# Altium PCB PCB1.PcbDoc (part 1 of 5) (continued)
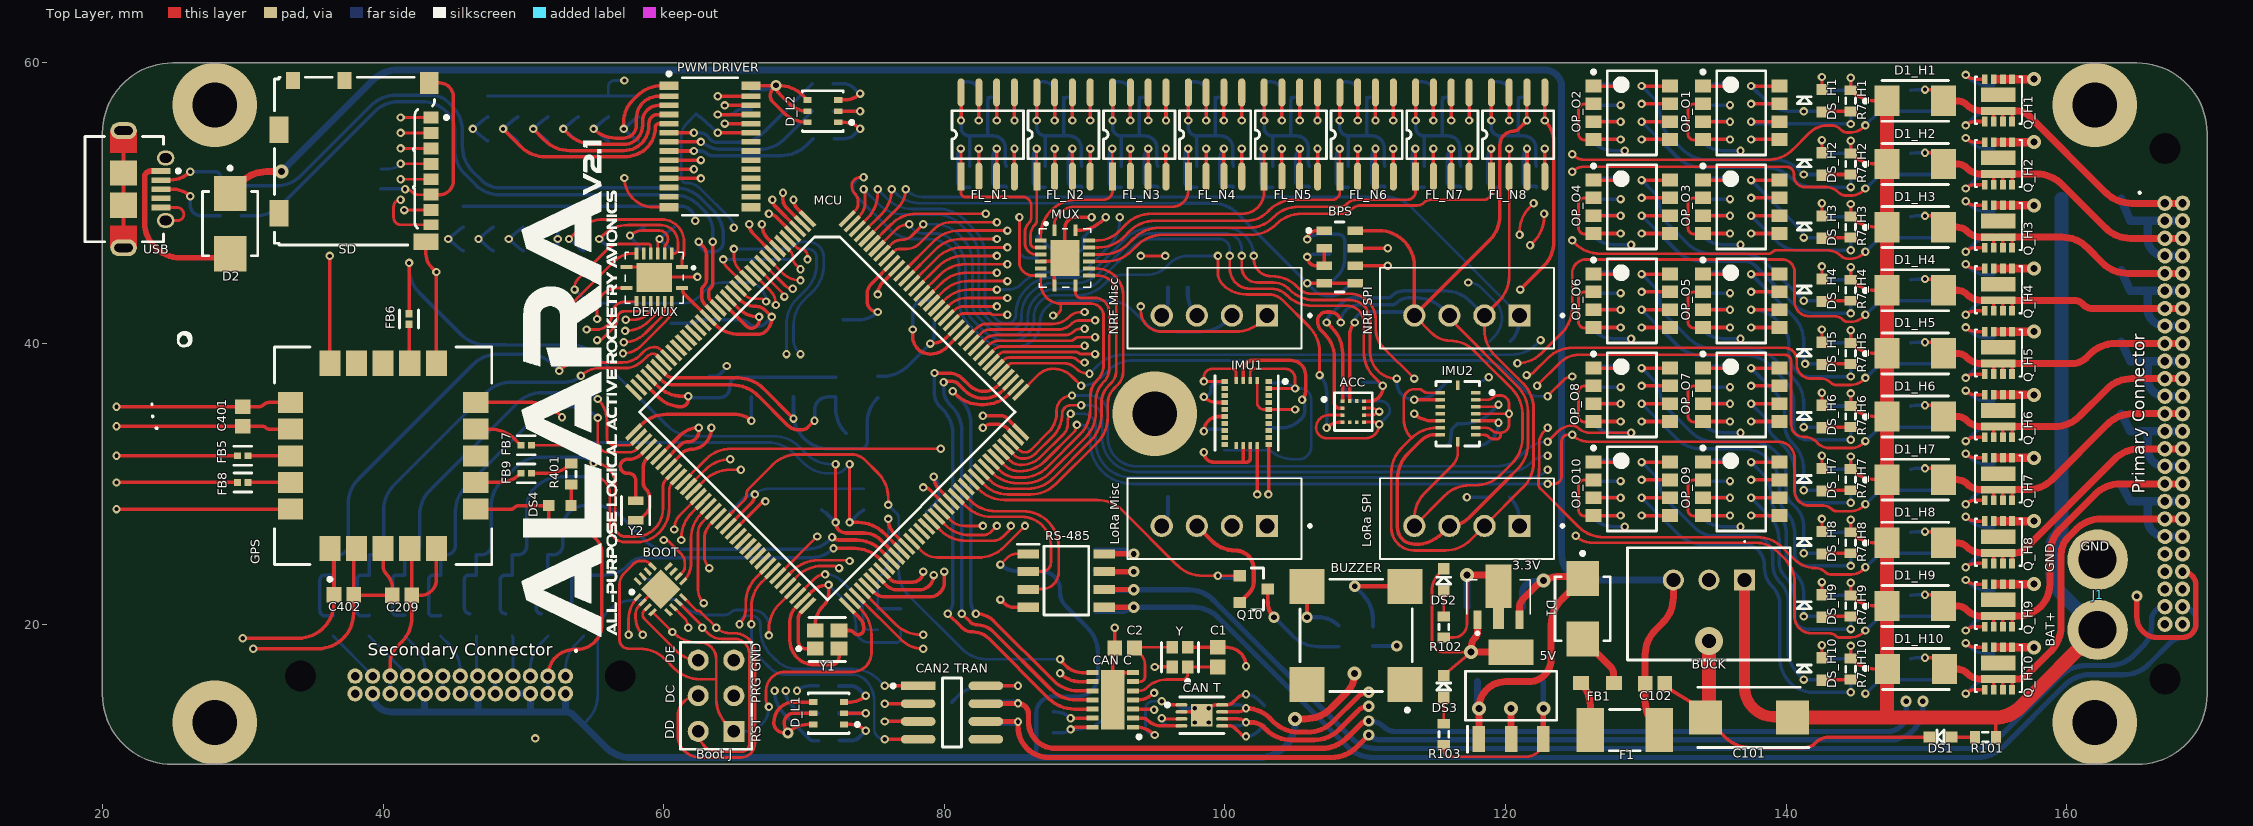
[diagram p0: Top Layer view]
## Classes and differential pairs
component class J14: RH_J14 RL_J14
component class J13: RH_J13 RL_J13
component class J12: RH_J12 RL_J12
component class J11: RH_J11 RL_J11
component class J10: RH_J10 RL_J10
component class J9: RH_J9 RL_J9
component class J8: RH_J8 RL_J8
component class J7: RH_J7 RL_J7
component class J6: RH_J6 RL_J6
component class J5: RH_J5 RL_J5
component class PTC5: F_PTC5
component class PTC4: F_PTC4
component class PTC3: F_PTC3
component class PTC2: F_PTC2
component class PTC1: F_PTC1
component class F8: C_F8 R1_F8 R2_F8
component class F7: C_F7 R1_F7 R2_F7
component class F6: C_F6 R1_F6 R2_F6
channel class "PTC Fuse": PTC1 PTC2 PTC3 PTC4 PTC5
component class F5: C_F5 PTC_F5 R1_F5 R2_F5
component class F4: C_F4 PTC_F4 R1_F4 R2_F4
component class F3: C_F3 PTC_F3 R1_F3 R2_F3
component class F2: C_F2 PTC_F2 R1_F2 R2_F2
component class F1: C_F1 PTC_F1 R1_F1 R2_F1
channel class "RGB LED": L1 L2
channel class "Jumpers High Low": J1 J2 J3 J4 J5 J6 J7 J8 J9 J10 J11 J12 J13 J14
component class L2: D_L2 LED_L2 R1_L2 R2_L2 R3_L2
component class L1: D_L1 LED_L1 R1_L1 R2_L1 R3_L1
component class J4: RH_J4 RL_J4
component class J3: RH_J3 RL_J3
component class J2: RH_J2 RL_J2
component class J1: RH_J1 RL_J1
component class B: C1 C2 C3 C4 C5 "CAN C" "CAN T" R1 R2 Y
channel class "Analog Signal Filter": F1 F2 F3 F4 F5 F6 F7 F8
channel class "Optoisolator Pair": O1 O2 O3 O4 O5 O6 O7 O8 O9 O10
component class O10: OP_O10 R1_O10 R2_O10
component class O9: OP_O9 R1_O9 R2_O9
component class O8: OP_O8 R1_O8 R2_O8
component class O7: OP_O7 R1_O7 R2_O7
component class O6: OP_O6 R1_O6 R2_O6
component class O5: OP_O5 R1_O5 R2_O5
component class O4: OP_O4 R1_O4 R2_O4
component class O3: OP_O3 R1_O3 R2_O3
component class O2: OP_O2 R1_O2 R2_O2
component class O1: OP_O1 R1_O1 R2_O1
component class H10: C_H10 D1_H10 DS_H10 Q_H10 R1_H10 R2_H10 R3_H10 R4_H10 R5_H10 R6_H10 R7_H10
component class H9: C_H9 D1_H9 DS_H9 Q_H9 R1_H9 R2_H9 R3_H9 R4_H9 R5_H9 R6_H9 R7_H9
component class H8: C_H8 D1_H8 DS_H8 Q_H8 R1_H8 R2_H8 R3_H8 R4_H8 R5_H8 R6_H8 R7_H8
component class H7: C_H7 D1_H7 DS_H7 Q_H7 R1_H7 R2_H7 R3_H7 R4_H7 R5_H7 R6_H7 R7_H7
component class H6: C_H6 D1_H6 DS_H6 Q_H6 R1_H6 R2_H6 R3_H6 R4_H6 R5_H6 R6_H6 R7_H6
component class H5: C_H5 D1_H5 DS_H5 Q_H5 R1_H5 R2_H5 R3_H5 R4_H5 R5_H5 R6_H5 R7_H5
component class H4: C_H4 D1_H4 DS_H4 Q_H4 R1_H4 R2_H4 R3_H4 R4_H4 R5_H4 R6_H4 R7_H4
component class H3: C_H3 D1_H3 DS_H3 Q_H3 R1_H3 R2_H3 R3_H3 R4_H3 R5_H3 R6_H3 R7_H3
component class H2: C_H2 D1_H2 DS_H2 Q_H2 R1_H2 R2_H2 R3_H2 R4_H2 R5_H2 R6_H2 R7_H2
component class H1: C_H1 D1_H1 DS_H1 Q_H1 R1_H1 R2_H1 R3_H1 R4_H1 R5_H1 R6_H1 R7_H1
channel class "High Power Output": H1 H2 H3 H4 H5 H6 H7 H8 H9 H10
channel class "NOR Flash": N1 N2 N3 N4 N5 N6 N7 N8
component class N8: C_N8 FL_N8 R1_N8 R2_N8 R3_N8
component class N7: C_N7 FL_N7 R1_N7 R2_N7 R3_N7
component class N6: C_N6 FL_N6 R1_N6 R2_N6 R3_N6
component class N5: C_N5 FL_N5 R1_N5 R2_N5 R3_N5
component class N4: C_N4 FL_N4 R1_N4 R2_N4 R3_N4
component class N3: C_N3 FL_N3 R1_N3 R2_N3 R3_N3
component class N2: C_N2 FL_N2 R1_N2 R2_N2 R3_N2
component class N1: C_N1 FL_N1 R1_N1 R2_N1 R3_N1
component class Sheet1: 3.3V 5V ACC BOOT "Boot J" BPS BUCK BUZZER C35 C39 C40 C41 C42 C43 C44 C101 C102 C103 C104 C105 C106 C201 C202 C203 C204 C205 C206 C207 C208 C209 C210 C301 C302 C401 C402 C403 C404 C405 C406 C407 C501 C502 C503 C601 C602 C603 C604 "CAN2 TRAN" D1 D2 DEMUX DS1 DS2 DS3 DS4 F1 FB1 FB2 FB3 FB5 FB6 FB7 FB8 FB9 FL1 GPS IMU1 IMU2 J1 J2 "LoRa Misc" "LoRa SPI" MCU MUX "NRF Misc" "NRF SPI" "Primary Connector" "PWM DRIVER" Q10 R101 R102 R103 R104 R105 R106 R107 R201 R301 R302 R303 R304 R305 R306 R307 R308 R401 R402 R403 R405 R406 R407 R408 R501 R502 R503 R601 R602 R603 R604 RS-485 SD "Secondary Connector" USB Y1 Y2

## Components (designator, comment, footprint, x,y, rotation, side; value= is the part's Value field where it differs from the comment)
3.3V "AZ1117CR-3.3TRG1" AZ1117CR33TRG1 119.5,23.15 r0 top
5V "AZ1117CH2-5.0TRG1" SOT230P700X180-4N 120.4,14.9 r90 top
ACC "KX134-1211" FP-KX134-1211-MFG 109.15,35.15 r0 top
BOOT "MKL02Z32VFG4" QFN50P300X300X65-17N-D 59.774,22.484 r45 top
"Boot J" "Header 3X2" HDR2X3 65,12.36 r90 top locked
BPS "MS560702BA03-50" TECO-MS560702BA03-50_V 108.175,46.175 r0 top locked
BUCK "VR10S09" VR10S09 137.04,23.15 r180 top
BUZZER "ST-025BH" FP-ST-025BH-MFG 109.35,19.2 r90 top locked
C1 "8pF" CAPC1608X95X40ML15T15 99.5,17.65 r270 top
C2 "8pF" CAPC1608X95X40ML15T15 92.85,18.3 r0 top
C3 "100nF" CAPC1608X95X40ML15T15 92,14.6 r270 bottom
C4 "100nF" CAPC1608X95X40ML15T15 102.8,13.5 r270 bottom
C5 "100nF" CAPC1608X95X40ML15T15 96.775,13.5 r270 bottom
C101 "TR3D226M035C0400" CAPPM7343X310N 137.35,13.35 r180 top
C102 "10uF" CAPC1608X95X40ML15T15 130.65,15.75 r180 top
C103 "10uF" CAPC1608X95X40ML15T15 118.7,15.9 r180 bottom
C104 "10uF" CAPC1608X95X40ML15T15 118,21.25 r180 bottom
C105 "10uF" CAPC1608X95X40ML15T15 121.9,21.2 r180 bottom
C106 "10uF" CAPC1608X95X40ML15T15 121.95,15.9 r0 bottom
C201 "10uF" CAPC1608X95X40ML15T15 72.8,42.4 r270 bottom
C202 "100nF" CAPC1608X95X40ML15T15 64.3,42.4 r270 bottom
C203 "100nF" CAPC1608X95X40ML15T15 64.75,27.3 r90 bottom
C204 "100nF" CAPC1608X95X40ML15T15 78.75,27.3 r90 bottom
C205 "100nF" CAPC1608X95X40ML15T15 79.3,42.4 r270 bottom
C206 "100nF" CAPC1608X95X40ML15T15 72.25,36.9 r270 bottom
C207 "2.2uF" CAPC1608X95X40ML15T15 69.25,36.9 r270 bottom
C208 "100nF" CAPC1608X95X40ML15T15 66.25,36.9 r270 bottom
C209 "100nF" CAPC1608X95X40ML15T15 41.35,22.05 r180 top
C210 "100nF" CAPC1608X95X40ML15T15 39.85,51.75 r90 bottom
C301 "100nF" CAPC1608X95X40ML15T15 85.95,23.1 r90 bottom
C302 "100nF" CAPC1608X95X40ML15T15 78.15,13.7 r270 bottom
C401 "1uF" CAPC1608X95X40ML15T15 30,34.8 r270 top
C402 "100nF" CAPC1608X95X40ML15T15 37.2,22.1 r0 top
C403 "100nF" CAPC1608X95X40ML15T15 107.475,47.075 r90 bottom
C404 "100nF" CAPC1608X95X40ML15T15 109.15,35.15 r90 bottom
C405 "100nF" CAPC1608X95X40ML15T15 103.1,36.5 r90 bottom
C406 "1uF" CAPC1608X95X40ML15T15 99.95,36.5 r90 bottom
C407 "100nF" CAPC1608X95X40ML15T15 116.6,35 r270 bottom
C501 "100nF" CAPC1608X95X40ML15T15 89.2,47.55 r180 bottom
C502 "100nF" CAPC1608X95X40ML15T15 59.85,41.45 r180 bottom
C503 "100nF" CAPC1608X95X40ML15T15 66.25,57.4 r270 bottom
C601 "10uF" CAPC1608X95X40ML15T15 110.55,19.15 r90 bottom
C602 "10uF" CAPC1608X95X40ML15T15 96.65,29.05 r180 bottom
C603 "10uF" CAPC1608X95X40ML15T15 96.65,44 r180 bottom
C604 "10uF" CAPC1608X95X40ML15T15 53.75,12.35 r45 bottom
C_F1 "100nF" CAPC1608X95X40ML15T15 54.3,22.8 r90 bottom (schematic designator C)
C_F2 "100nF" CAPC1608X95X40ML15T15 51.75,22.8 r90 bottom (schematic designator C)
C_F3 "100nF" CAPC1608X95X40ML15T15 49.2,22.8 r90 bottom (schematic designator C)
C_F4 "100nF" CAPC1608X95X40ML15T15 46.65,22.8 r90 bottom (schematic designator C)
C_F5 "100nF" CAPC1608X95X40ML15T15 44.1,22.8 r90 bottom (schematic designator C)
C_F6 "100nF" CAPC1608X95X40ML15T15 41.55,22.8 r90 bottom (schematic designator C)
C_F7 "100nF" CAPC1608X95X40ML15T15 39,22.8 r90 bottom (schematic designator C)
C_F8 "100nF" CAPC1608X95X40ML15T15 36.45,22.8 r90 bottom (schematic designator C)
C_H1 "100nF" CAPC1608X95X40ML15T15 151.575,57.3 r270 bottom (schematic designator C)
C_H2 "100nF" CAPC1608X95X40ML15T15 151.575,52.8 r270 bottom (schematic designator C)
C_H3 "100nF" CAPC1608X95X40ML15T15 151.575,48.3 r270 bottom (schematic designator C)
C_H4 "100nF" CAPC1608X95X40ML15T15 151.575,43.8 r270 bottom (schematic designator C)
C_H5 "100nF" CAPC1608X95X40ML15T15 151.575,39.3 r270 bottom (schematic designator C)
C_H6 "100nF" CAPC1608X95X40ML15T15 151.575,34.8 r270 bottom (schematic designator C)
C_H7 "100nF" CAPC1608X95X40ML15T15 151.575,30.3 r270 bottom (schematic designator C)
C_H8 "100nF" CAPC1608X95X40ML15T15 151.575,25.8 r270 bottom (schematic designator C)
C_H9 "100nF" CAPC1608X95X40ML15T15 151.575,21.3 r270 bottom (schematic designator C)
C_H10 "100nF" CAPC1608X95X40ML15T15 151.575,16.8 r270 bottom (schematic designator C)
C_N1 "100nF" CAPC1608X95X40ML15T15 84.05,57.55 r0 bottom (schematic designator C)
C_N2 "100nF" CAPC1608X95X40ML15T15 89.45,57.55 r0 bottom (schematic designator C)
C_N3 "100nF" CAPC1608X95X40ML15T15 94.85,57.55 r0 bottom (schematic designator C)
C_N4 "100nF" CAPC1608X95X40ML15T15 100.25,57.55 r0 bottom (schematic designator C)
C_N5 "100nF" CAPC1608X95X40ML15T15 105.65,57.55 r0 bottom (schematic designator C)
C_N6 "100nF" CAPC1608X95X40ML15T15 111.05,57.55 r0 bottom (schematic designator C)
C_N7 "100nF" CAPC1608X95X40ML15T15 116.45,57.55 r0 bottom (schematic designator C)
C_N8 "100nF" CAPC1608X95X40ML15T15 121.85,57.55 r0 bottom (schematic designator C)
"CAN2 TRAN" "SN65HVD230DR" FP-D0008A-IPC_A 80.55,13.7 r0 top
"CAN C" "MCP2517FD-H_JHA" SON65P300X450X90-15N-D 92,14.6 r180 top
"CAN T" "MCP2542FDT-E/MNY" FP-C04-129-MNY-MFG 98.35,13.5 r0 top
D1 "S3MB-13-F" FP-SMB-MFG 125.5,21.1 r270 top value=40pF
D1_H1 "SMA-2" FP-DO-214AC-MFG 149.2,57.3 r0 top (schematic designator D1)
D1_H2 "SMA-2" FP-DO-214AC-MFG 149.2,52.8 r0 top (schematic designator D1)
D1_H3 "SMA-2" FP-DO-214AC-MFG 149.2,48.3 r0 top (schematic designator D1)
D1_H4 "SMA-2" FP-DO-214AC-MFG 149.2,43.8 r0 top (schematic designator D1)
D1_H5 "SMA-2" FP-DO-214AC-MFG 149.2,39.3 r0 top (schematic designator D1)
D1_H6 "SMA-2" FP-DO-214AC-MFG 149.2,34.8 r0 top (schematic designator D1)
D1_H7 "SMA-2" FP-DO-214AC-MFG 149.2,30.3 r0 top (schematic designator D1)
D1_H8 "SMA-2" FP-DO-214AC-MFG 149.2,25.8 r0 top (schematic designator D1)
D1_H9 "SMA-2" FP-DO-214AC-MFG 149.2,21.3 r0 top (schematic designator D1)
D1_H10 "SMA-2" FP-DO-214AC-MFG 149.25,16.8 r0 top (schematic designator D1)
D2 "S3MB-13-F" FP-SMB-MFG 29.1,48.55 r270 top value=40pF
D_L1 "CLY6D-FKC-CK1N1D1BB7D3D3" FP-CLY6D-FKC-MFG 71.75,13.65 r180 top (schematic designator D)
D_L2 "CLY6D-FKC-CK1N1D1BB7D3D3" FP-CLY6D-FKC-MFG 71.35,56.564 r180 top (schematic designator D)
DEMUX "SN74CB3Q3251RGYR" SN74CBT3257CRGYR 59.325,44.7 r180 top
DS1 "150060VS75000" WE-150060VS75000_V 151,11.95 r0 top
DS2 "150060VS75000" WE-150060VS75000_V 115.6,23.15 r270 top
DS3 "150060VS75000" WE-150060VS75000_V 115.6,15.55 r270 top
DS4 "150060VS75000" WE-150060VS75000_V 52.6,28.45 r0 top
DS_H1 "150060VS75000" WE-150060VS75000_V 142.55,57.3 r270 top (schematic designator DS)
DS_H2 "150060VS75000" WE-150060VS75000_V 142.55,52.8 r270 top (schematic designator DS)
DS_H3 "150060VS75000" WE-150060VS75000_V 142.55,48.3 r270 top (schematic designator DS)
DS_H4 "150060VS75000" WE-150060VS75000_V 142.55,43.8 r270 top (schematic designator DS)
DS_H5 "150060VS75000" WE-150060VS75000_V 142.55,39.3 r270 top (schematic designator DS)
DS_H6 "150060VS75000" WE-150060VS75000_V 142.55,34.8 r270 top (schematic designator DS)
DS_H7 "150060VS75000" WE-150060VS75000_V 142.55,30.3 r270 top (schematic designator DS)
DS_H8 "150060VS75000" WE-150060VS75000_V 142.55,25.8 r270 top (schematic designator DS)
DS_H9 "150060VS75000" WE-150060VS75000_V 142.55,21.3 r270 top (schematic designator DS)
DS_H10 "150060VS75000" WE-150060VS75000_V 142.55,16.8 r270 top (schematic designator DS)
F1 "0451001.MRL" FP-0451-MFG 128.5,12.45 r180 top value=0.078Ω
F_PTC1 "2016L150_33DR" FUSC5141X160N 161.75,50.318 r0 bottom (schematic designator F)
F_PTC2 "2016L150_33DR" FUSC5141X160N 161.75,45.218 r0 bottom (schematic designator F)
F_PTC3 "2016L150_33DR" FUSC5141X160N 161.75,40.118 r0 bottom (schematic designator F)
F_PTC4 "2016L150_33DR" FUSC5141X160N 161.75,35.018 r0 bottom (schematic designator F)
F_PTC5 "2016L150_33DR" FUSC5141X160N 161.75,29.918 r0 bottom (schematic designator F)
FB1 "742792023" SMD-0805 126.55,15.8 r0 top
FB2 "742792651" SMD-0603 75.25,36.9 r90 bottom
FB3 "742792651" SMD-0603 63.25,36.9 r270 bottom
FB5 "BLM15HD102SN1D" FP-BLM15-0_05-IPC_C 30,32 r0 top
FB6 "BLM15HD102SN1D" FP-BLM15-0_05-IPC_C 41.85,41.75 r270 top
FB7 "BLM15HD102SN1D" FP-BLM15-0_05-IPC_C 50.2,32.75 r180 top
FB8 "BLM15HD102SN1D" FP-BLM15-0_05-IPC_C 30,30.1 r180 top
FB9 "BLM15HD102SN1D" FP-BLM15-0_05-IPC_C 50.2,30.75 r0 top
FL_N1 "omponent_1" "SOIC-8 - duplicate" 81.19,51.9 r90 top (schematic designator FL)
FL_N2 "omponent_1" "SOIC-8 - duplicate" 86.59,51.9 r90 top (schematic designator FL)
FL_N3 "omponent_1" "SOIC-8 - duplicate" 91.99,51.9 r90 top (schematic designator FL)
FL_N4 "omponent_1" "SOIC-8 - duplicate" 97.39,51.9 r90 top (schematic designator FL)
FL_N5 "omponent_1" "SOIC-8 - duplicate" 102.79,51.9 r90 top (schematic designator FL)
FL_N6 "omponent_1" "SOIC-8 - duplicate" 108.19,51.9 r90 top (schematic designator FL)
FL_N7 "omponent_1" "SOIC-8 - duplicate" 113.59,51.9 r90 top (schematic designator FL)
FL_N8 "omponent_1" "SOIC-8 - duplicate" 118.99,51.9 r90 top (schematic designator FL)
GPS "SAM-M8Q-0-10" FP-SAM-M8Q-0-10-MFG 40,32 r90 top locked
IMU1 "BNO055" FP-BNO055-MFG 101.55,35.05 r0 top locked
IMU2 "BMI085" FP-BMI055-MFG 116.6,35 r0 top
J1 "XT30" XT30 162.2,19.6 r90 top locked
"LoRa Misc" "B4B-XH-A(LF)(SN)" JST_B4B-XH-A(LF)(SN) 103,27 r180 top locked
"LoRa SPI" "B4B-XH-A(LF)(SN)" JST_B4B-XH-A(LF)(SN) 121,27 r180 top locked
MCU "MK66FX1M0" "LQFP144 0.5mm Pitch" 70.25,48.9 r315 top locked
MUX "SN74CB3Q3251RGYR" SN74CBT3257CRGYR 88.6,46.1 r270 top locked
"NRF Misc" "B4B-XH-A(LF)(SN)" JST_B4B-XH-A(LF)(SN) 103,42 r180 top locked
"NRF SPI" "B4B-XH-A(LF)(SN)" JST_B4B-XH-A(LF)(SN) 121,42 r180 top locked
OP_O1 "ILD207T" VISH-SOIC-8_C_V 136.8,56.45 r0 top (schematic designator OP)
OP_O2 "ILD207T" VISH-SOIC-8_C_V 129,56.45 r0 top (schematic designator OP)
OP_O3 "ILD207T" VISH-SOIC-8_C_V 136.8,49.75 r0 top (schematic designator OP)
OP_O4 "ILD207T" VISH-SOIC-8_C_V 129,49.75 r0 top (schematic designator OP)
OP_O5 "ILD207T" VISH-SOIC-8_C_V 136.8,43.05 r0 top (schematic designator OP)
OP_O6 "ILD207T" VISH-SOIC-8_C_V 129,43.05 r0 top (schematic designator OP)
OP_O7 "ILD207T" VISH-SOIC-8_C_V 136.8,36.35 r0 top (schematic designator OP)
OP_O8 "ILD207T" VISH-SOIC-8_C_V 129,36.35 r0 top (schematic designator OP)
OP_O9 "ILD207T" VISH-SOIC-8_C_V 136.8,29.65 r0 top (schematic designator OP)
OP_O10 "ILD207T" VISH-SOIC-8_C_V 129,29.65 r0 top (schematic designator OP)
"Primary Connector" "G125-MH15005M4P" G125-MH15005M4P 167,50 r90 top locked
"PWM DRIVER" "PCA9685PW,112" SOT361-1_V 63.3,54.05 r0 top
Q10 "DMG2302U-7" FP-SOT23-MFG 102.05,22.5 r0 top
Q_H1 "SIZ340DT-T1-GE3" MOSFET_DT-T1-GE3_VIS 155.125,57.339 r90 top (schematic designator Q)
Q_H2 "SIZ340DT-T1-GE3" MOSFET_DT-T1-GE3_VIS 155.125,52.839 r90 top (schematic designator Q)
Q_H3 "SIZ340DT-T1-GE3" MOSFET_DT-T1-GE3_VIS 155.125,48.339 r90 top (schematic designator Q)
Q_H4 "SIZ340DT-T1-GE3" MOSFET_DT-T1-GE3_VIS 155.125,43.839 r90 top (schematic designator Q)
Q_H5 "SIZ340DT-T1-GE3" MOSFET_DT-T1-GE3_VIS 155.125,39.339 r90 top (schematic designator Q)
Q_H6 "SIZ340DT-T1-GE3" MOSFET_DT-T1-GE3_VIS 155.125,34.839 r90 top (schematic designator Q)
Q_H7 "SIZ340DT-T1-GE3" MOSFET_DT-T1-GE3_VIS 155.125,30.339 r90 top (schematic designator Q)
Q_H8 "SIZ340DT-T1-GE3" MOSFET_DT-T1-GE3_VIS 155.125,25.839 r90 top (schematic designator Q)
Q_H9 "SIZ340DT-T1-GE3" MOSFET_DT-T1-GE3_VIS 155.125,21.339 r90 top (schematic designator Q)
Q_H10 "SIZ340DT-T1-GE3" MOSFET_DT-T1-GE3_VIS 155.125,16.839 r90 top (schematic designator Q)
R1 "0603" J1-0603 99.925,13.5 r270 bottom value=120
R1_F1 "0603" J1-0603 54.3,19.9 r90 bottom value=4.7k (schematic designator R1)
R1_F2 "0603" J1-0603 51.75,19.9 r90 bottom value=4.7k (schematic designator R1)
R1_F3 "0603" J1-0603 49.2,19.9 r90 bottom value=4.7k (schematic designator R1)
R1_F4 "0603" J1-0603 46.65,19.9 r90 bottom value=4.7k (schematic designator R1)
R1_F5 "0603" J1-0603 44.1,19.9 r90 bottom value=4.7k (schematic designator R1)
R1_F6 "0603" J1-0603 41.55,19.9 r90 bottom value=4.7k (schematic designator R1)
R1_F7 "0603" J1-0603 39,19.9 r90 bottom value=4.7k (schematic designator R1)
R1_F8 "0603" J1-0603 36.45,19.9 r90 bottom value=4.7k (schematic designator R1)
R1_H1 "0603" J1-0603 144.6,57.3 r90 bottom value=10k (schematic designator R1)
R1_H2 "0603" J1-0603 144.6,52.8 r90 bottom value=10k (schematic designator R1)
R1_H3 "0603" J1-0603 144.6,48.3 r90 bottom value=10k (schematic designator R1)
R1_H4 "0603" J1-0603 144.6,43.8 r90 bottom value=10k (schematic designator R1)
R1_H5 "0603" J1-0603 144.6,39.3 r90 bottom value=10k (schematic designator R1)
R1_H6 "0603" J1-0603 144.6,34.8 r90 bottom value=10k (schematic designator R1)
R1_H7 "0603" J1-0603 144.6,30.3 r90 bottom value=10k (schematic designator R1)
R1_H8 "0603" J1-0603 144.6,25.8 r90 bottom value=10k (schematic designator R1)
R1_H9 "0603" J1-0603 144.6,21.3 r90 bottom value=10k (schematic designator R1)
R1_H10 "0603" J1-0603 144.6,16.8 r90 bottom value=10k (schematic designator R1)
R1_L1 "0603" J1-0603 71.75,15.6 r0 bottom value=120 (schematic designator R1)
R1_L2 "0603" J1-0603 71.35,58.514 r0 bottom value=120 (schematic designator R1)
R1_N1 "0603" J1-0603 81.8,51.9 r270 bottom value=10k (schematic designator R1)
R1_N2 "0603" J1-0603 87.2,51.9 r270 bottom value=10k (schematic designator R1)
R1_N3 "0603" J1-0603 92.6,51.9 r270 bottom value=10k (schematic designator R1)
R1_N4 "0603" J1-0603 98,51.9 r270 bottom value=10k (schematic designator R1)
R1_N5 "0603" J1-0603 103.4,51.9 r270 bottom value=10k (schematic designator R1)
R1_N6 "0603" J1-0603 108.8,51.9 r270 bottom value=10k (schematic designator R1)
R1_N7 "0603" J1-0603 114.2,51.9 r270 bottom value=10k (schematic designator R1)
R1_N8 "0603" J1-0603 119.6,51.9 r270 bottom value=10k (schematic designator R1)
R1_O1 "0603" J1-0603 134.05,55.1 r270 bottom value=470 (schematic designator R1)
R1_O2 "0603" J1-0603 126.25,55.1 r270 bottom value=470 (schematic designator R1)
R1_O3 "0603" J1-0603 134.05,48.4 r270 bottom value=470 (schematic designator R1)
R1_O4 "0603" J1-0603 126.25,48.4 r270 bottom value=470 (schematic designator R1)
R1_O5 "0603" J1-0603 134.05,41.7 r270 bottom value=470 (schematic designator R1)
R1_O6 "0603" J1-0603 126.25,41.7 r270 bottom value=470 (schematic designator R1)
R1_O7 "0603" J1-0603 134.05,35 r270 bottom value=470 (schematic designator R1)
R1_O8 "0603" J1-0603 126.25,35 r270 bottom value=470 (schematic designator R1)
R1_O9 "0603" J1-0603 134.05,28.3 r270 bottom value=470 (schematic designator R1)
R1_O10 "0603" J1-0603 126.25,28.3 r270 bottom value=470 (schematic designator R1)
R2 "0603" J1-0603 87.75,13 r270 bottom value=10k
R2_F1 "0603" J1-0603 54.3,25.7 r90 bottom value=1.5k (schematic designator R2)
R2_F2 "0603" J1-0603 51.75,25.7 r90 bottom value=1.5k (schematic designator R2)
R2_F3 "0603" J1-0603 49.2,25.7 r90 bottom value=1.5k (schematic designator R2)
R2_F4 "0603" J1-0603 46.65,25.7 r90 bottom value=1.5k (schematic designator R2)
R2_F5 "0603" J1-0603 44.1,25.7 r90 bottom value=1.5k (schematic designator R2)
R2_F6 "0603" J1-0603 41.55,25.7 r90 bottom value=1.5k (schematic designator R2)
R2_F7 "0603" J1-0603 39,25.7 r90 bottom value=1.5k (schematic designator R2)
R2_F8 "0603" J1-0603 36.45,25.7 r90 bottom value=1.5k (schematic designator R2)
R2_H1 "0603" J1-0603 155.55,56.5 r180 bottom value=10k (schematic designator R2)
R2_H2 "0603" J1-0603 155.55,52 r180 bottom value=10k (schematic designator R2)
R2_H3 "0603" J1-0603 155.55,47.5 r180 bottom value=10k (schematic designator R2)
R2_H4 "0603" J1-0603 155.55,43 r180 bottom value=10k (schematic designator R2)
R2_H5 "0603" J1-0603 155.55,38.5 r180 bottom value=10k (schematic designator R2)
R2_H6 "0603" J1-0603 155.55,34 r180 bottom value=10k (schematic designator R2)
R2_H7 "0603" J1-0603 155.55,29.5 r180 bottom value=10k (schematic designator R2)
R2_H8 "0603" J1-0603 155.55,25 r180 bottom value=10k (schematic designator R2)
R2_H9 "0603" J1-0603 155.55,20.5 r180 bottom value=10k (schematic designator R2)
R2_H10 "0603" J1-0603 155.55,16 r180 bottom value=10k (schematic designator R2)
R2_L1 "0603" J1-0603 71.75,13.65 r180 bottom value=120 (schematic designator R2)
R2_L2 "0603" J1-0603 71.35,56.564 r180 bottom value=120 (schematic designator R2)
R2_N1 "0603" J1-0603 84.4,51.9 r270 bottom value=10k (schematic designator R2)
R2_N2 "0603" J1-0603 89.8,51.9 r270 bottom value=10k (schematic designator R2)
R2_N3 "0603" J1-0603 95.2,51.9 r270 bottom value=10k (schematic designator R2)
R2_N4 "0603" J1-0603 100.6,51.9 r270 bottom value=10k (schematic designator R2)
R2_N5 "0603" J1-0603 106,51.9 r270 bottom value=10k (schematic designator R2)
R2_N6 "0603" J1-0603 111.4,51.9 r270 bottom value=10k (schematic designator R2)
R2_N7 "0603" J1-0603 116.8,51.9 r270 bottom value=10k (schematic designator R2)
R2_N8 "0603" J1-0603 122.2,51.9 r270 bottom value=10k (schematic designator R2)
R2_O1 "0603" J1-0603 134.05,57.75 r270 bottom value=470 (schematic designator R2)
R2_O2 "0603" J1-0603 126.25,57.75 r270 bottom value=470 (schematic designator R2)
R2_O3 "0603" J1-0603 134.05,51.05 r270 bottom value=470 (schematic designator R2)
R2_O4 "0603" J1-0603 126.25,51.05 r270 bottom value=470 (schematic designator R2)
R2_O5 "0603" J1-0603 134.05,44.35 r270 bottom value=470 (schematic designator R2)
R2_O6 "0603" J1-0603 126.25,44.35 r270 bottom value=470 (schematic designator R2)
R2_O7 "0603" J1-0603 134.05,37.65 r270 bottom value=470 (schematic designator R2)
R2_O8 "0603" J1-0603 126.25,37.65 r270 bottom value=470 (schematic designator R2)
R2_O9 "0603" J1-0603 134.05,30.95 r270 bottom value=470 (schematic designator R2)
R2_O10 "0603" J1-0603 126.25,30.95 r270 bottom value=470 (schematic designator R2)
R3_H1 "0603" J1-0603 142.55,57.3 r90 bottom value=10k (schematic designator R3)
R3_H2 "0603" J1-0603 142.55,52.8 r90 bottom value=10k (schematic designator R3)
R3_H3 "0603" J1-0603 142.55,48.3 r90 bottom value=10k (schematic designator R3)
R3_H4 "0603" J1-0603 142.55,43.8 r90 bottom value=10k (schematic designator R3)
R3_H5 "0603" J1-0603 142.55,39.3 r90 bottom value=10k (schematic designator R3)
R3_H6 "0603" J1-0603 142.55,34.8 r90 bottom value=10k (schematic designator R3)
R3_H7 "0603" J1-0603 142.55,30.3 r90 bottom value=10k (schematic designator R3)
R3_H8 "0603" J1-0603 142.55,25.8 r90 bottom value=10k (schematic designator R3)
R3_H9 "0603" J1-0603 142.55,21.3 r90 bottom value=10k (schematic designator R3)
R3_H10 "0603" J1-0603 142.55,16.8 r90 bottom value=10k (schematic designator R3)
R3_L1 "0603" J1-0603 71.8,11.7 r180 bottom value=470 (schematic designator R3)
R3_L2 "0603" J1-0603 71.4,54.614 r180 bottom value=470 (schematic designator R3)
R3_N1 "0603" J1-0603 81.2,57.9 r90 bottom value=10k (schematic designator R3)
R3_N2 "0603" J1-0603 86.6,57.9 r90 bottom value=10k (schematic designator R3)
R3_N3 "0603" J1-0603 92,57.9 r90 bottom value=10k (schematic designator R3)
R3_N4 "0603" J1-0603 97.4,57.9 r90 bottom value=10k (schematic designator R3)
R3_N5 "0603" J1-0603 102.8,57.9 r90 bottom value=10k (schematic designator R3)
R3_N6 "0603" J1-0603 108.2,57.9 r90 bottom value=10k (schematic designator R3)
R3_N7 "0603" J1-0603 113.6,57.9 r90 bottom value=10k (schematic designator R3)
R3_N8 "0603" J1-0603 119,57.9 r90 bottom value=10k (schematic designator R3)
R4_H1 "0603" J1-0603 155.55,58.4 r180 bottom value=10k (schematic designator R4)
R4_H2 "0603" J1-0603 155.55,53.9 r180 bottom value=10k (schematic designator R4)
R4_H3 "0603" J1-0603 155.55,49.4 r180 bottom value=10k (schematic designator R4)
R4_H4 "0603" J1-0603 155.55,44.9 r180 bottom value=10k (schematic designator R4)
R4_H5 "0603" J1-0603 155.55,40.4 r180 bottom value=10k (schematic designator R4)
R4_H6 "0603" J1-0603 155.55,35.9 r180 bottom value=10k (schematic designator R4)
R4_H7 "0603" J1-0603 155.55,31.4 r180 bottom value=10k (schematic designator R4)
R4_H8 "0603" J1-0603 155.55,26.9 r180 bottom value=10k (schematic designator R4)
R4_H9 "0603" J1-0603 155.55,22.4 r180 bottom value=10k (schematic designator R4)
R4_H10 "0603" J1-0603 155.55,17.9 r180 bottom value=10k (schematic designator R4)
R5_H1 "0603" J1-0603 148.9,57.3 r90 bottom value=330k (schematic designator R5)
R5_H2 "0603" J1-0603 148.9,52.8 r90 bottom value=330k (schematic designator R5)
R5_H3 "0603" J1-0603 148.9,48.3 r90 bottom value=330k (schematic designator R5)
R5_H4 "0603" J1-0603 148.9,43.8 r90 bottom value=330k (schematic designator R5)
R5_H5 "0603" J1-0603 148.9,39.3 r90 bottom value=330k (schematic designator R5)
R5_H6 "0603" J1-0603 148.9,34.8 r90 bottom value=330k (schematic designator R5)
R5_H7 "0603" J1-0603 148.9,30.3 r90 bottom value=330k (schematic designator R5)
R5_H8 "0603" J1-0603 148.9,25.8 r90 bottom value=330k (schematic designator R5)
R5_H9 "0603" J1-0603 148.9,21.3 r90 bottom value=330k (schematic designator R5)
R5_H10 "0603" J1-0603 148.9,16.8 r90 bottom value=330k (schematic designator R5)
R6_H1 "0603" J1-0603 146.825,57.3 r270 bottom value=10k (schematic designator R6)
R6_H2 "0603" J1-0603 146.825,52.8 r270 bottom value=10k (schematic designator R6)
R6_H3 "0603" J1-0603 146.825,48.3 r270 bottom value=10k (schematic designator R6)
R6_H4 "0603" J1-0603 146.825,43.8 r270 bottom value=10k (schematic designator R6)
R6_H5 "0603" J1-0603 146.825,39.3 r270 bottom value=10k (schematic designator R6)
R6_H6 "0603" J1-0603 146.825,34.8 r270 bottom value=10k (schematic designator R6)
R6_H7 "0603" J1-0603 146.825,30.3 r270 bottom value=10k (schematic designator R6)
R6_H8 "0603" J1-0603 146.825,25.8 r270 bottom value=10k (schematic designator R6)
R6_H9 "0603" J1-0603 146.825,21.3 r270 bottom value=10k (schematic designator R6)
R6_H10 "0603" J1-0603 146.825,16.8 r270 bottom value=10k (schematic designator R6)
R7_H1 "0603" J1-0603 144.6,57.3 r90 top value=1.5k (schematic designator R7)
R7_H2 "0603" J1-0603 144.6,52.8 r90 top value=1.5k (schematic designator R7)
R7_H3 "0603" J1-0603 144.6,48.3 r90 top value=1.5k (schematic designator R7)
R7_H4 "0603" J1-0603 144.6,43.8 r90 top value=1.5k (schematic designator R7)
R7_H5 "0603" J1-0603 144.6,39.3 r90 top value=1.5k (schematic designator R7)
R7_H6 "0603" J1-0603 144.6,34.8 r90 top value=1.5k (schematic designator R7)
R7_H7 "0603" J1-0603 144.6,30.3 r90 top value=1.5k (schematic designator R7)
R7_H8 "0603" J1-0603 144.6,25.8 r90 top value=1.5k (schematic designator R7)
R7_H9 "0603" J1-0603 144.6,21.3 r90 top value=1.5k (schematic designator R7)
R7_H10 "0603" J1-0603 144.6,16.8 r90 top value=1.5k (schematic designator R7)
R101 "0603" J1-0603 154.2,11.95 r0 top value=4.7k
R102 "0603" J1-0603 115.6,19.8 r270 top value=470
R103 "0603" J1-0603 115.6,12.15 r270 top value=470
R104 "0603" J1-0603 75.25,20.35 r90 bottom value=10k
R105 "0603" J1-0603 76.9,20.35 r270 bottom value=4.7k
R106 "0603" J1-0603 58.55,22.45 r90 bottom value=10k
R107 "0603" J1-0603 60.95,22.5 r90 bottom value=1.5k
R201 "0603" J1-0603 73.75,33.6 r0 bottom value=470
R301 "0603" J1-0603 29.15,51.25 r180 bottom value=33
R302 "0603" J1-0603 29.15,49.1 r180 bottom value=33
R303 "0603" J1-0603 71.25,28.9 r270 bottom value=4.7k
R304 "0603" J1-0603 74.25,28.9 r90 bottom value=4.7k
R305 "0603" J1-0603 90.75,24.6 r90 bottom value=120
R306 "0603" J1-0603 90.75,21.6 r270 bottom value=120
R307 "0603" J1-0603 80.55,13.7 r270 bottom value=10k
R308 "0603" J1-0603 83,13.7 r270 bottom value=120
R401 "0603" J1-0603 53.4,30.7 r270 top value=470
R402 "0603" J1-0603 108.225,44.275 r0 bottom value=10k
R403 "0603" J1-0603 109.1,37.25 r0 bottom value=10k
R405 "0603" J1-0603 99.95,33.15 r90 bottom value=10k
R406 "0603" J1-0603 103.1,33.25 r270 bottom value=10k
R407 "0603" J1-0603 116.6,32.7 r0 bottom value=10k
R408 "0603" J1-0603 116.6,37.3 r180 bottom value=10k
R501 "0603" J1-0603 86.637,46.85 r270 bottom value=10k
R502 "0603" J1-0603 52.65,40.8 r0 bottom value=10k
R503 "0603" J1-0603 62.3,57.1 r270 bottom value=10k
R601 "0603" J1-0603 108.1,19.15 r90 bottom value=33
R602 "0603" J1-0603 101,22.5 r90 bottom value=10k
R603 "0603" J1-0603 119.6,40.15 r0 bottom value=10k
R604 "0603" J1-0603 119.55,29.05 r0 bottom value=10k
RH_J1 "0603" J1-0603 60.75,49.05 r270 bottom value=10k (schematic designator RH)
RH_J2 "0603" J1-0603 58.6,49.05 r270 bottom value=10k (schematic designator RH)
RH_J3 "0603" J1-0603 56.45,49.05 r270 bottom value=10k (schematic designator RH)
RH_J4 "0603" J1-0603 54.3,49.05 r270 bottom value=10k (schematic designator RH)
RH_J5 "0603" J1-0603 52.15,49.05 r270 bottom value=10k (schematic designator RH)
RH_J6 "0603" J1-0603 50,49.05 r270 bottom value=10k (schematic designator RH)
RH_J7 "0603" J1-0603 47.85,49.05 r270 bottom value=10k (schematic designator RH)
RH_J8 "0603" J1-0603 45.7,49.05 r270 bottom value=10k (schematic designator RH)
RH_J9 "0603" J1-0603 58.2,56.9 r270 bottom value=10k (schematic designator RH)
RH_J10 "0603" J1-0603 56.05,56.9 r270 bottom value=10k (schematic designator RH)
RH_J11 "0603" J1-0603 53.9,56.9 r270 bottom value=10k (schematic designator RH)
RH_J12 "0603" J1-0603 51.75,56.9 r270 bottom value=10k (schematic designator RH)
RH_J13 "0603" J1-0603 49.6,56.9 r270 bottom value=10k (schematic designator RH)
RH_J14 "0603" J1-0603 47.45,56.9 r270 bottom value=10k (schematic designator RH)
RL_J1 "0603" J1-0603 60.75,45.85 r270 bottom value=10k (schematic designator RL)
RL_J2 "0603" J1-0603 58.6,45.85 r270 bottom value=10k (schematic designator RL)
RL_J3 "0603" J1-0603 56.45,45.85 r270 bottom value=10k (schematic designator RL)
RL_J4 "0603" J1-0603 54.3,45.85 r270 bottom value=10k (schematic designator RL)
RL_J5 "0603" J1-0603 52.15,45.85 r270 bottom value=10k (schematic designator RL)
RL_J6 "0603" J1-0603 50,45.85 r270 bottom value=10k (schematic designator RL)
RL_J7 "0603" J1-0603 47.85,45.85 r270 bottom value=10k (schematic designator RL)
RL_J8 "0603" J1-0603 45.7,45.85 r270 bottom value=10k (schematic designator RL)
RL_J9 "0603" J1-0603 58.2,53.7 r270 bottom value=10k (schematic designator RL)
RL_J10 "0603" J1-0603 56.05,53.7 r270 bottom value=10k (schematic designator RL)
RL_J11 "0603" J1-0603 53.9,53.7 r270 bottom value=10k (schematic designator RL)
RL_J12 "0603" J1-0603 51.75,53.7 r270 bottom value=10k (schematic designator RL)
RL_J13 "0603" J1-0603 49.6,53.7 r270 bottom value=10k (schematic designator RL)
RL_J14 "0603" J1-0603 47.45,53.7 r270 bottom value=10k (schematic designator RL)
RS-485 "SN65LBC179D" SOIC127P600X175-8N 88.7,23.11 r0 top
SD "104031-0811" MOLX-104031-0811_V 38,53 r90 top locked
"Secondary Connector" "G125-MH12605M4P" G125-MH12605M4P 53,16.3 r0 top locked
USB "47589-0001" MOLX-47589-0001_V 23,51 r270 top locked
Y "" FP-CX2016DB-MFG 96.8,17.65 r90 top
Y1 "NX2520SA-16MHZ-STD-CSW-5" FP-NX2520SA-MFG 71.65,18.9 r0 top locked
Y2 "ECS-.327-12.5-12-TR" FP-ECX-12-MFG 58,28.1 r270 top

## Footprints (in the part's own frame and the unit in brackets; to place one, negate y for a bottom-side part, rotate by r counter-clockwise, add the part's x,y. Pads: shape width x height; smd on the part's side, far side on the other; paste and mask are expansions set on the pad)
AZ1117CR33TRG1 [mm]
  rect 0.55x1.3 smd: 1(-1.5,-2.838) 3(1.5,-2.838)
  rect 0.8x1.475 smd: 2(0,-2.75)
  rect 1.85x3.125 smd: 4(0,-0.45)
  silkscreen extent -2.25,-3.9 2.25,0, body extent -2.2,-3.37 2.2,0.58, height 1.4
CAPC1608X95X40ML15T15 [mm] "Chip Capacitor, 2-Leads, Body 1.60x0.80mm, IPC Low Density"
  rect 1.05x1.1 smd: 1(-0.7,0) 2(0.7,0)
  body extent -0.88,-0.48 0.87,0.47, height 0.95
CAPPM7343X310N [mm]
  rect 2.35x2.45 smd: 1(-3.1,0) 2(3.1,0)
  silkscreen extent -4.28,-2.15 3.65,2.15, body extent -3.59,-2.21 3.6,2.21, height 2.92
FP-0451-MFG [mil]
  rect 77x124 smd paste+0 mask+0: 1(-96.5,0) 2(96.5,0)
  silkscreen extent -43,-58 43,58, body extent -139,-66 139,66, height 10
FP-BLM15-0_05-IPC_C [mm]
  rect 0.515x0.472 smd paste+0 mask+0: 1(-0.379,0) 2(0.379,0)
  silkscreen extent -0.64,-0.67 0.64,0.67, body extent -0.74,-0.38 0.74,0.38, height 0.25
FP-BMI055-MFG [mm]
  rect 0.675x0.25 smd paste+0 mask+0: 1(1.263,1.5) 2(1.263,1) 3(1.263,0.5) 4(1.263,0) 5(1.263,-0.5) 6(1.263,-1) 7(1.263,-1.5) 9(-1.263,-1.5) 10(-1.263,-1) 11(-1.263,-0.5) 12(-1.263,0) 13(-1.263,0.5) 14(-1.263,1) 15(-1.263,1.5)
  rect 0.25x0.675 smd paste+0 mask+0: 8(0,-2.013) 16(0,2.013)
  silkscreen extent -1.55,-2.3 2.58,2.3, body extent -2.1,-2.85 2.1,2.85, height 0.25
FP-BNO055-MFG [mm]
  rect 0.475x0.35 smd paste+0 mask-1000: 1(1.563,2.25) 6(-1.562,2.25) 7(-1.562,1.75) 8(-1.562,1.25) 9(-1.562,0.75) 10(-1.562,0.25) 11(-1.562,-0.25) 12(-1.562,-0.75) 13(-1.562,-1.25) 14(-1.562,-1.75) 15(-1.562,-2.25) 20(1.563,-2.25) 21(1.563,-1.75) 22(1.563,-1.25) 23(1.563,-0.75) 24(1.563,-0.25) 25(1.563,0.25) 26(1.563,0.75) 27(1.563,1.25) 28(1.563,1.75)
  rect 0.25x0.475 smd paste+0 mask-1000: 2(0.75,2.313) 3(0.25,2.313) 4(-0.25,2.313) 5(-0.75,2.313) 16(-0.75,-2.312) 17(-0.25,-2.312) 18(0.25,-2.312) 19(0.75,-2.312)
  silkscreen extent -2.25,-2.65 2.88,2.65, body extent -2.45,-3.15 2.45,3.15, height 0.25
FP-C04-129-MNY-MFG [mm]
  rrect100% 0.85x0.25 smd paste+0 mask+0: 1(-1.45,0.75) 2(-1.45,0.25) 3(-1.45,-0.25) 4(-1.45,-0.75) 5(1.45,-0.75) 6(1.45,-0.25) 7(1.45,0.25) 8(1.45,0.75)
  rect 1.5x1.6 smd paste+0 mask+0: 9(0,0)
  silkscreen extent -2.57,-1.3 1.58,1.3, body extent -1.97,-1.18 1.97,1.17, height 0.25
FP-CLY6D-FKC-MFG [mm]
  rect 0.6x0.4 smd paste+0 mask+0: 1(-1.1,0.8) 2(-1.1,0) 3(-1.1,-0.8) 4(1.1,-0.8) 5(1.1,0) 6(1.1,0.8)
  silkscreen extent -2.18,-1.45 1.45,1.45, body extent -1.55,-1.55 1.55,1.55, height 0.25
FP-CX2016DB-MFG [mm]
  rect 0.9x0.8 smd paste+0 mask+0: 1(-0.7,-0.55) 2(0.7,-0.55) 3(0.7,0.55) 4(-0.7,0.55)
  silkscreen extent -1.85,-1.33 1.05,1.33, body extent -1.25,-1.05 1.25,1.05, height 0.25
FP-D0008A-IPC_A [mm]
  rect 2.469x0.622 smd paste+0 mask+0: 1(-2.414,1.905)
  rrect100% 2.469x0.622 smd paste+0 mask+0: 2(-2.414,0.635) 3(-2.414,-0.635) 4(-2.414,-1.905) 5(2.414,-1.905) 6(2.414,-0.635) 7(2.414,0.635) 8(2.414,1.905)
  silkscreen extent -4.32,-2.45 0.68,2.45, body extent -4.15,-2.95 4.15,2.95, height 0.25
FP-DO-214AC-MFG [mm]
  rect 1.78x2.16 smd paste+0 mask+0: 1(-2.025,0) 2(2.025,0)
  silkscreen extent -3.67,-1.46 2.37,1.46, body extent -3.02,-1.56 3.02,1.56, height 0.25
FP-ECX-12-MFG [mm]
  rect 0.6x1.1 smd paste+0 mask+0: 1(-0.7,0) 2(0.7,0)
  silkscreen extent -1,-1 1,1, body extent -1.15,-0.75 1.15,0.75, height 0.25
FP-KX134-1211-MFG [mm]
  rect 0.275x0.25 smd paste-1000 mask+0: 1(-0.763,0.75) 2(-0.763,0.25) 3(-0.763,-0.25) 4(-0.763,-0.75) 7(0.762,-0.75) 8(0.762,-0.25) 9(0.762,0.25) 10(0.762,0.75)
  rect 0.25x0.275 smd paste-1000 mask+0: 5(-0.25,-0.763) 6(0.25,-0.763) 11(0.25,0.762) 12(-0.25,0.762)
  silkscreen extent -2.2,-1.35 1.35,1.35, body extent -1.54,-1.54 1.54,1.54, height 0.25
FP-NX2520SA-MFG [mm]
  rect 1.2x1 smd paste+0 mask+0: 1(-0.85,-0.65) 2(0.85,-0.65) 3(0.85,0.65) 4(-0.85,0.65)
  silkscreen extent -2.15,-1.56 1.3,1.58, body extent -1.55,-1.25 1.55,1.25, height 0.25
FP-SAM-M8Q-0-10-MFG [mm]
  rect 1.8x1.5 smd paste-1000 mask+0: 1(-6.6,3.8) 2(-6.6,1.9) 3(-6.6,0) 4(-6.6,-1.9) 5(-6.6,-3.8) 11(6.6,-3.8) 12(6.6,-1.9) 13(6.6,0) 14(6.6,1.9) 15(6.6,3.8)
  rect 1.5x1.8 smd paste-1000 mask+0: 6(-3.8,-6.6) 7(-1.9,-6.6) 8(0,-6.6) 9(1.9,-6.6) 10(3.8,-6.6) 16(3.8,6.6) 17(1.9,6.6) 18(0,6.6) 19(-1.9,6.6) 20(-3.8,6.6)
  silkscreen extent -8.92,-7.75 7.75,7.75
FP-SMB-MFG [mm]
  rect 2.5x2.3 smd paste+0 mask+0: 1(-2.15,0) 2(2.15,0)
  silkscreen extent -4.07,-1.97 2.29,1.97, body extent -3.5,-2.07 3.5,2.07, height 0.25
FP-SOT23-MFG [mm]
  rect 0.9x0.8 smd paste+0 mask+0: 1(-1,0.95) 2(-1,-0.95) 3(1,0)
  silkscreen extent -0.17,-1.5 0.7,1.5, body extent -1.55,-1.6 1.55,1.6, height 0.25
FP-ST-025BH-MFG [mm]
  rect 2.5x2.5 smd paste+0 mask+0: 1(-3.5,-3.5) 2(3.5,-3.5) 3(3.5,3.5) 4(-3.5,3.5)
  silkscreen extent -5.45,-4 4,4, body extent -4.85,-4.85 4.85,4.85, height 0.25
FUSC5141X160N [mm]
  rect 1.9x4.44 smd: 1(-2.125,0) 2(2.125,0)
  silkscreen extent 0,-1.93 0,1.93, body extent -2.54,-2.03 2.54,2.03, height 1.6
G125-MH12605M4P [mm]
  round 1.1 hole 0.6: 1(0,0) 2(-1.25,0) 3(-2.5,0) 4(-3.75,0) 5(-5,0) 6(-6.25,0) 7(-7.5,0) 8(-8.75,0) 9(-10,0) 10(-11.25,0) 11(-12.5,0) 12(-13.75,0) 13(-15,0) 14(0,-1.25) 15(-1.25,-1.25) 16(-2.5,-1.25) 17(-3.75,-1.25) 18(-5,-1.25) 19(-6.25,-1.25) 20(-7.5,-1.25) 21(-8.75,-1.25) 22(-10,-1.25) 23(-11.25,-1.25) 24(-12.5,-1.25) 25(-13.75,-1.25) 26(-15,-1.25)
  round 1.1 hole 2.2 unplated: 27(3.9,0) 28(-18.9,0)
  silkscreen extent 0.7,1.75 0.8,1.85, body extent -21.35,-6.15 6.35,1.55, height 5.26
G125-MH15005M4P [mm]
  round 1.1 hole 0.6: 1(0,0) 2(-1.25,0) 3(-2.5,0) 4(-3.75,0) 5(-5,0) 6(-6.25,0) 7(-7.5,0) 8(-8.75,0) 9(-10,0) 10(-11.25,0) 11(-12.5,0) 12(-13.75,0) 13(-15,0) 14(-16.25,0) 15(-17.5,0) 16(-18.75,0) 17(-20,0) 18(-21.25,0) 19(-22.5,0) 20(-23.75,0) 21(-25,0) 22(-26.25,0) 23(-27.5,0) 24(-28.75,0) 25(-30,0) 26(0,-1.25) 27(-1.25,-1.25) 28(-2.5,-1.25) 29(-3.75,-1.25) 30(-5,-1.25) 31(-6.25,-1.25) 32(-7.5,-1.25) 33(-8.75,-1.25) 34(-10,-1.25) 35(-11.25,-1.25) 36(-12.5,-1.25) 37(-13.75,-1.25) 38(-15,-1.25) 39(-16.25,-1.25) 40(-17.5,-1.25) 41(-18.75,-1.25) 42(-20,-1.25) 43(-21.25,-1.25) 44(-22.5,-1.25) 45(-23.75,-1.25) 46(-25,-1.25) 47(-26.25,-1.25) 48(-27.5,-1.25) 49(-28.75,-1.25) 50(-30,-1.25)
  round 1.1 hole 2.2 unplated: 51(3.9,0) 52(-33.9,0)
  silkscreen extent 0.7,1.75 0.8,1.85, body extent -36.35,-6.15 6.35,1.55, height 5.26
HDR2X3 [mm] "Connector; Header; 3x2 Position"
  rect 1.5x1.5 hole 0.9: 1(0,0)
  round 1.5 hole 0.9: 2(0,2.54) 3(2.54,0) 4(2.54,2.54) 5(5.08,0) 6(5.08,2.54)
  silkscreen extent -1.27,-1.27 6.35,3.81
J1-0603 [mm] "Chip Resistor, Body 1.6x0.8mm, IPC High Density"
  rect 0.7x0.9 smd: 1(-0.75,0) 2(0.75,0)
  silkscreen extent -0.2,-0.35 0.2,0.35, body extent -0.85,-0.48 0.85,0.48, height 0.9
JST_B4B-XH-A(LF)(SN) [mm]
  rect 1.59x1.59 hole 1.06: 1(0,0)
  round 1.59 hole 1.06: 2(2.5,0) 3(5,0) 4(7.5,0)
  silkscreen extent -3.16,-3.4 9.95,2.35, body extent -2.45,-3.4 9.95,2.35, height 7